# Altium PCB uTCA_MCH_PCB3.pcbdoc (part 17 of 25)
Units mil, origin at the board's own origin, x right, y up, seen from the top; angles counter-clockwise.
Board outline 7110.66 x 2894.12 mil, 12 copper layers (Top Layer, GND1, MidLayer1, PWR1, MidLayer2, GND2, PWR2, MidLayer3, GND3, MidLayer4, PWR3, Bottom Layer), stack 63.15 mil thick; 767 components, 905 nets, 4553 pads, 2832 vias.
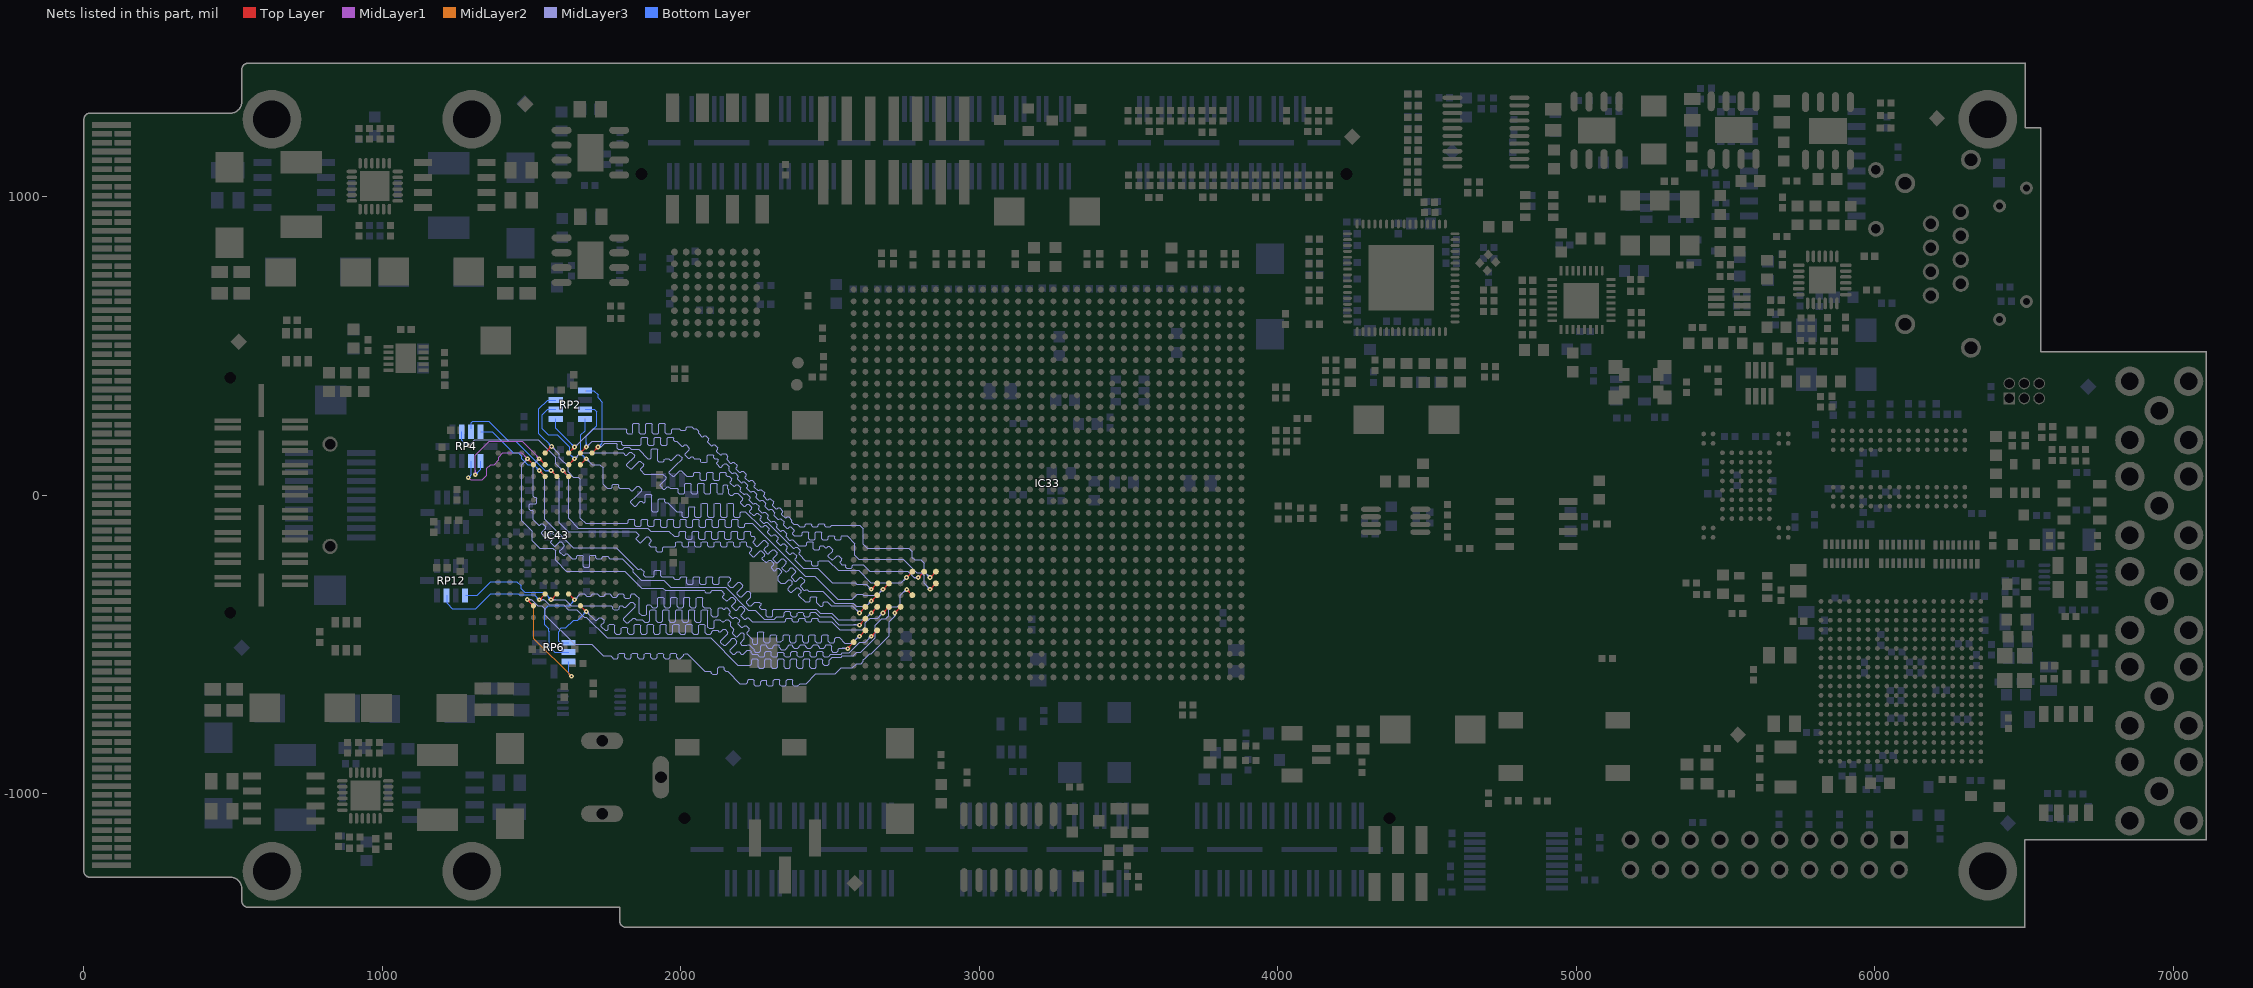
[diagram p27: the nets of this part, all layers, seen from the top]

## Via types
v1: diameter 15.75, hole 5.91, Top Layer to Bottom Layer, tented both sides, 2480 vias
v2: diameter 23.62, hole 11.81, Top Layer to Bottom Layer, tented both sides, 325 vias
v3: diameter 20, hole 10, Top Layer to Bottom Layer, tented both sides, 16 vias
v4: diameter 15.75, hole 7.87, Top Layer to Bottom Layer, tented both sides, 9 vias
v5: diameter 23.62, hole 11.81, Top Layer to Bottom Layer, 1 vias
v6: diameter 15.75, hole 5.91, Top Layer to Bottom Layer, 1 vias

## Nets (pads, with @x,y where several pads share a name; then routed paths per layer and width w, separated by ;. In a path a pad name is that pad's centre, name@x,y a point inside that pad or via, vN(x,y) a via of type N, cw(c..) or ccw(c..) an arc to the next point about the centre after c; other vN are vias at no path point) (continued)
Q2_A0: IC33.AM30 IC43.B4 RP6.8 | length 2157.8
  Top Layer w3.94: IC43.B4@1663.39,-370.08 v1(1683.07,-389.76) ; v1@1677.17,-389.76 ccw(c1662.91,-389.76) 1672.99,-379.68 ccw(c1683.07,-369.6) v1@1683.07,-383.86 ; v1(2637.79,-472.44) IC33.AM30@2657.48,-452.76 ; v1@2637.79,-466.54 ccw(c2637.79,-452.28) 2647.88,-462.36 ccw(c2657.96,-472.44) v1@2643.7,-472.44
  MidLayer3 w3.94: v1@1683.07,-395.67 cw(c1683.07,-409.93) 1693.15,-399.85 cw(c1703.23,-389.76) v1@1688.98,-389.76 ; v1(1683.07,-389.76) 1712.27,-418.96 1718.39,-418.96 1727.15,-410.21 1733.27,-410.21 1742.46,-419.4 1742.46,-425.52 1733.71,-434.27 1733.71,-440.4 1746.06,-452.76 1752.56,-452.76 1756.89,-448.43 1756.89,-436.05 1761.22,-431.72 1774.21,-431.72 1778.54,-436.05 1778.54,-461.08 1782.87,-465.41 1795.87,-465.41 1800.2,-461.08 1800.2,-445.96 1804.53,-441.62 1817.52,-441.62 1821.85,-445.96 1821.85,-461.08 1826.18,-465.41 1839.17,-465.41 1843.5,-461.08 1843.5,-436.05 1847.83,-431.72 1860.83,-431.72 1865.16,-436.05 1865.16,-461.08 1869.49,-465.41 1882.48,-465.41 1886.81,-461.08 1886.81,-436.05 1891.14,-431.72 1904.13,-431.72 1908.46,-436.05 1908.46,-461.08 1912.79,-465.41 1925.79,-465.41 1930.12,-461.08 1930.12,-436.05 1934.45,-431.72 1947.44,-431.72 1951.77,-436.05 1951.77,-461.08 1956.1,-465.41 1969.09,-465.41 1973.42,-461.08 1973.42,-436.05 1977.76,-431.72 1990.75,-431.72 1995.08,-436.05 1995.08,-461.08 1999.41,-465.41 2012.4,-465.41 2016.73,-461.08 2016.73,-436.05 2021.06,-431.72 2034.05,-431.72 2038.39,-436.05 2038.39,-461.08 2042.72,-465.41 2055.71,-465.41 2060.04,-461.08 2060.04,-436.05 2064.37,-431.72 2077.36,-431.72 2081.69,-436.05 2081.69,-461.08 2086.02,-465.41 2099.01,-465.41 2103.35,-461.08 2103.35,-457.09 2107.68,-452.76 2123.03,-452.76 2127.62,-457.35 2133.75,-457.35 2141.85,-449.25 2147.97,-449.25 2157.16,-458.44 2157.16,-464.56 2146,-475.72 2134.18,-487.54 2134.18,-493.66 2143.37,-502.85 2149.5,-502.85 2161.31,-491.03 2172.47,-479.87 2178.59,-479.87 2187.78,-489.06 2187.78,-495.19 2176.62,-506.35 2164.81,-518.16 2164.81,-524.28 2173.99,-533.47 2180.12,-533.47 2188.87,-524.72 2194.99,-524.72 2202.76,-532.48 2209.25,-532.48 2213.58,-528.15 ; 2213.58,-527.64 2222.38,-518.84 2230.91,-518.84 2235.24,-523.17 2235.24,-528.15 2239.57,-532.48 2255.51,-532.48 2259.84,-536.81 ; 2259.84,-537.52 2264.17,-541.85 2277.17,-541.85 2281.5,-537.52 2281.5,-527.44 2285.83,-523.11 2298.82,-523.11 2303.15,-527.44 2303.15,-537.52 2307.48,-541.85 2320.47,-541.85 2324.8,-537.52 2324.8,-527.44 2326.81,-525.43 2341.34,-525.43 2346.46,-530.55 2346.46,-537.52 2350.79,-541.85 2363.78,-541.85 2368.11,-537.52 2368.11,-527.44 2372.44,-523.11 2385.43,-523.11 2389.76,-527.44 2389.76,-537.52 2394.09,-541.85 2407.09,-541.85 2411.42,-537.52 2411.42,-527.44 2415.75,-523.11 2428.74,-523.11 2433.07,-527.44 2433.07,-537.52 2437.4,-541.85 2450.39,-541.85 2454.72,-537.52 2454.72,-527.44 2459.06,-523.11 2472.05,-523.11 2476.38,-527.44 2476.38,-537.52 2480.71,-541.85 2493.7,-541.85 2498.03,-537.52 ; 2498.03,-536.81 2502.36,-532.48 2536.42,-532.48 2541.34,-527.56 2564.58,-527.56 2600.02,-492.13 2618.11,-492.13 v1(2637.79,-472.44) ; v1@2631.89,-472.44 cw(c2617.63,-472.44) 2627.71,-482.52 cw(c2637.79,-492.6) v1@2637.79,-478.35
  Bottom Layer w3.94: RP6.8@1624.02,-494.09 1595.67,-494.09 1590.94,-489.37 1590.94,-457.87 1594.49,-454.33 1594.49,-448.82 1598.82,-444.49 1614.17,-444.49 1640.55,-418.11 1654.72,-418.11 v1(1683.07,-389.76) v1@1683.07,-392.85 ; v1@1677.17,-389.76 cw(c1662.91,-389.76) 1672.99,-399.84 cw(c1683.07,-409.93) v1@1683.07,-395.67
Q2_A1: IC33.AK28 IC43.B8 RP6.10 | length 2379.9
  Top Layer w3.94: v1@1485.24,-355.32 cw(c1485.24,-369.57) 1495.32,-359.49 cw(c1505.4,-349.41) v1@1491.14,-349.41 ; v1(1485.24,-349.41) IC43.B8@1505.91,-370.08 ; v1@2716.53,-393.7 IC33.AK28@2736.22,-374.02 ; v1@2716.67,-388.8 ccw(c2716.67,-377.28) 2724.81,-385.43 ; v1@2722.57,-394.7 cw(c2739.57,-394.7) 2727.55,-382.68
  MidLayer2 w3.94: v1@1485.24,-355.32 cw(c1485.24,-369.57) 1495.32,-359.49 cw(c1505.4,-349.41) v1@1491.14,-349.41 ; v1(1485.24,-349.41) 1507.09,-371.26 1507.09,-479.92 v1(1633.86,-606.69) v1@1633.86,-609.45 ; v1@1627.95,-606.69 ccw(c1613.7,-606.69) 1623.78,-596.61 ccw(c1633.86,-586.53) v1@1633.86,-600.79
  MidLayer3 w3.94: v1(1485.24,-349.41) 1500,-349.41 1520.67,-370.08 1533.46,-370.08 1545.28,-381.89 1545.28,-401.57 1643.7,-500 1701.77,-500 1739.56,-537.79 1764.97,-537.79 1769.3,-542.12 ; v1@1489.41,-353.59 cw(c1499.49,-363.67) 1499.49,-349.41 cw(c1499.49,-335.15) v1@1489.41,-345.23 ; 1769.3,-542.83 1773.63,-547.16 1786.62,-547.16 1790.95,-542.83 1790.95,-533.26 1795.28,-528.93 1808.28,-528.93 1812.61,-533.26 1812.61,-542.83 1816.94,-547.16 1829.93,-547.16 1834.26,-542.83 1834.26,-533.26 1838.59,-528.93 1851.58,-528.93 1855.91,-533.26 1855.91,-542.83 1860.24,-547.16 1873.24,-547.16 1877.57,-542.83 1877.57,-533.26 1881.9,-528.93 1894.89,-528.93 1899.22,-533.26 1899.22,-542.83 1903.55,-547.16 1916.54,-547.16 1920.87,-542.83 1920.87,-533.26 1925.2,-528.93 1938.2,-528.93 1942.53,-533.26 1942.53,-542.83 1946.86,-547.16 1959.85,-547.16 1964.18,-542.83 1964.18,-533.26 1968.51,-528.93 1981.5,-528.93 1985.83,-533.26 1985.83,-542.83 1990.16,-547.16 1998.23,-547.16 2009.84,-535.55 2009.84,-533.46 2012.8,-530.51 2020.67,-530.51 2056.93,-566.77 2079.72,-589.57 2098.03,-589.57 2102.36,-593.9 2102.36,-596.06 2106.69,-600.4 2119.69,-600.4 2124.02,-596.06 2124.02,-579.13 2128.35,-574.8 2141.34,-574.8 2145.67,-579.13 2145.67,-585.24 2150,-589.57 2156.5,-589.57 2197.83,-630.91 2219.09,-630.91 2223.43,-626.57 2223.43,-621.23 2227.76,-616.89 2240.75,-616.89 2245.08,-621.23 2245.08,-634.45 2249.41,-638.78 2262.4,-638.78 2266.73,-634.45 2266.73,-625.63 2272.09,-620.28 2287.44,-620.28 ; 2288.39,-621.23 2288.39,-634.45 2292.72,-638.78 2305.71,-638.78 2310.04,-634.45 2310.04,-621.23 2314.37,-616.89 2327.36,-616.89 2331.69,-621.23 2331.69,-634.45 2336.02,-638.78 2349.02,-638.78 2353.35,-634.45 2353.35,-621.23 2357.68,-616.89 2370.67,-616.89 2375,-621.23 2375,-634.45 2379.33,-638.78 2392.32,-638.78 2400.2,-630.91 2419.29,-630.91 2451.77,-598.43 2517.72,-598.43 2537.4,-578.74 2574.84,-578.74 2589.61,-563.98 2603.73,-563.98 2611.22,-556.48 2611.22,-551.89 2617.83,-545.28 ; 2618.11,-545.28 2631.89,-531.5 2637.8,-531.5 2698.82,-470.47 2698.82,-423.23 2716.53,-405.51 ; v1@2713.38,-399.61 cw(c2709.43,-405.51) 2716.53,-405.51 ; v1@2716.53,-393.7 2716.53,-394.7 2716.53,-405.51 ; v1@2719.76,-399.73 ccw(c2723.32,-405.51) 2716.53,-405.51
  Bottom Layer w3.94: RP6.10@1624.02,-557.09 1624.02,-596.85 ; v1@1627.95,-606.59 ccw(c1614.51,-606.36) 1624.02,-596.85 ; v1@1633.76,-600.79 cw(c1633.52,-587.35) 1624.02,-596.85 ; v1(1633.86,-606.69) 1624.02,-596.85
  other v1: 2716.67,-394.7
Q2_A2: IC33.AN30 IC43.C5 RP6.9 | length 2318.6
  Top Layer w3.94: IC43.C5@1624.02,-330.71 v1(1643.7,-350.39) ; v1@1637.8,-350.39 ccw(c1623.54,-350.39) 1633.62,-340.31 ccw(c1643.7,-330.23) v1@1643.7,-344.49 ; v1(2598.43,-472.44) IC33.AN30@2618.11,-452.76 ; v1@2598.43,-466.54 ccw(c2598.43,-452.28) 2608.51,-462.36 ccw(c2618.59,-472.44) v1@2604.33,-472.44
  MidLayer3 w3.94: v1(1643.7,-350.39) 1663.39,-330.71 1676.5,-330.71 1684.45,-338.65 1697.44,-338.65 1705.39,-330.71 1719.71,-330.71 1727.76,-338.76 1740.75,-338.76 1748.8,-330.71 1762.4,-330.71 1766.73,-335.04 1766.73,-337.22 1771.06,-341.55 1784.06,-341.55 1788.39,-337.22 1788.39,-335.04 1792.72,-330.71 1805.71,-330.71 1810.04,-335.04 1810.04,-341.16 1814.37,-345.49 1827.36,-345.49 1831.69,-341.16 1831.69,-335.04 1836.02,-330.71 1844.19,-330.71 1848.13,-334.65 ; v1@1643.7,-344.49 ccw(c1643.7,-330.23) 1653.78,-340.31 ccw(c1663.86,-350.39) v1@1649.61,-350.39 ; 1849.41,-334.65 1860.24,-345.47 1860.24,-394.68 1868.11,-402.56 1880.91,-402.56 1884.84,-398.62 1884.84,-370.08 1888.78,-366.14 1895.67,-366.14 ; 1896.26,-366.14 1900.59,-370.47 ; 1900.59,-372.13 1904.92,-376.46 1917.91,-376.46 1922.24,-372.13 1922.24,-345.35 1926.58,-341.02 1939.57,-341.02 1943.9,-345.35 1943.9,-372.13 1948.23,-376.46 1961.22,-376.46 1965.55,-372.13 1965.55,-345.35 1969.88,-341.02 1982.87,-341.02 1987.2,-345.35 1987.2,-372.13 1991.54,-376.46 2004.53,-376.46 2008.86,-372.13 2008.86,-345.35 2013.19,-341.02 2026.18,-341.02 2030.51,-345.35 2030.51,-372.13 2034.84,-376.46 2047.83,-376.46 2052.17,-372.13 2052.17,-345.35 2056.5,-341.02 2069.49,-341.02 2073.82,-345.35 2073.82,-372.13 2078.15,-376.46 2095.95,-376.46 2102.36,-382.87 2102.36,-402.56 2107.28,-407.48 2120.08,-407.48 2125,-402.56 2125,-379.92 2128.46,-376.46 2136.3,-376.46 2141.66,-381.82 2146.25,-381.82 2150.57,-377.5 2155.16,-377.5 2165.88,-388.22 2165.88,-392.81 2161.56,-397.13 2161.56,-401.72 2172.28,-412.44 2176.88,-412.44 2181.19,-408.12 2185.78,-408.12 2196.5,-418.84 2196.5,-423.44 2192.19,-427.75 2192.19,-432.34 2202.91,-443.06 2207.5,-443.06 2213.55,-437.01 2218.15,-437.01 2228.87,-447.72 2228.87,-452.32 2222.81,-458.37 2222.81,-465.92 2240.16,-483.27 2240.16,-496.06 2243.11,-499.02 2254.92,-499.02 2257.87,-496.06 2257.87,-459.65 2260.83,-456.69 2273.62,-456.69 2277.56,-460.63 2277.56,-489.76 2281.89,-494.09 2294.88,-494.09 2299.21,-489.76 2299.21,-470.86 2303.54,-466.53 2316.54,-466.53 2320.87,-470.86 2320.87,-489.76 ; 2322.24,-491.14 2334.88,-491.14 2342.52,-483.5 2342.52,-470.86 2346.85,-466.53 2359.84,-466.53 2364.17,-470.86 2364.17,-489.76 2368.5,-494.09 2381.5,-494.09 2385.83,-489.76 2385.83,-470.86 2390.16,-466.53 2403.15,-466.53 2407.48,-470.86 2407.48,-489.76 2411.81,-494.09 2424.8,-494.09 2429.13,-489.76 2429.13,-470.86 2433.46,-466.53 2446.46,-466.53 2450.79,-470.86 2450.79,-489.76 2455.12,-494.09 2468.11,-494.09 2472.44,-489.76 2472.44,-470.86 2476.77,-466.53 2489.76,-466.53 2494.09,-470.86 2494.09,-489.76 2498.43,-494.09 2511.42,-494.09 2515.75,-489.76 2515.75,-480.71 2520.08,-476.38 2530.51,-476.38 2549.21,-495.08 2573.99,-495.08 v1@2596.63,-472.44 ; 2585.28,-483.79 cw(c2598.43,-496.93) v1@2598.43,-478.35 ; 2589.61,-479.46 ccw(c2582.59,-472.44) v1@2592.52,-472.44 ; 2592,-477.07 cw(c2598.43,-483.49) v1@2598.43,-474.41
  Bottom Layer w3.94: RP6.9@1624.02,-525.59 1576.77,-525.59 1558.94,-507.76 1558.94,-457.06 1557.09,-455.2 1557.09,-448.03 1543.7,-434.65 1543.7,-382.28 1555.51,-370.47 1625.2,-370.47 v1@1644.09,-351.57 ; 1632.51,-363.16 ccw(c1619.74,-350.39) v1@1637.8,-350.39 ; 1636.31,-359.36 cw(c1643.7,-366.76) v1@1643.7,-356.3
Q2_A3: IC33.AP31 IC43.C6 RP12.7 | length 2335.5
  Top Layer w3.94: v1(1564.96,-350.39) IC43.C6@1584.65,-330.71 ; v1@1564.96,-344.49 ccw(c1564.96,-330.23) 1575.04,-340.31 ccw(c1585.12,-350.39) v1@1570.87,-350.39 ; v1@2559.06,-511.81 IC33.AP31@2578.74,-492.13 ; v1@2559.18,-507.9 ccw(c2559.18,-498.76) 2565.64,-505.22 ; v1@2561.15,-513.8 cw(c2571.02,-513.8) 2564.04,-506.83 ; v1@2565.09,-513.8 cw(c2584.46,-513.8) 2570.76,-500.11
  MidLayer3 w3.94: v1(1564.96,-350.39) 1612.21,-350.39 1631.89,-370.08 1767.32,-370.08 1771.65,-374.41 1771.65,-379.55 1775.98,-383.88 1788.98,-383.88 1793.31,-379.55 1793.31,-374.41 1797.64,-370.08 1804.13,-370.08 1809.05,-375 1815.18,-375 1832.38,-357.79 1838.51,-357.79 1847.69,-366.98 1847.69,-373.11 1827.43,-393.37 1808.53,-412.27 1808.53,-418.39 1817.72,-427.58 1823.84,-427.58 1839.68,-411.75 1845.8,-411.75 1850.39,-416.34 1869.86,-416.34 1878.35,-424.83 1891.34,-424.83 1895.67,-420.5 1895.67,-387.68 1900,-383.35 1912.99,-383.35 1917.32,-387.68 1917.32,-420.5 1921.65,-424.83 1934.65,-424.83 1938.98,-420.5 1938.98,-387.68 1943.31,-383.35 1956.3,-383.35 1960.63,-387.68 1960.63,-420.5 1964.96,-424.83 1977.95,-424.83 1982.28,-420.5 1982.28,-387.68 1986.61,-383.35 1999.61,-383.35 2003.94,-387.68 2003.94,-420.5 2008.27,-424.83 2021.26,-424.83 2025.59,-420.5 2025.59,-387.68 2029.92,-383.35 2042.91,-383.35 2047.24,-387.68 2047.24,-420.5 2051.57,-424.83 2064.57,-424.83 2068.9,-420.5 2068.9,-387.68 2073.23,-383.35 2075.29,-383.35 2086.22,-383.35 2090.55,-387.68 2090.55,-441.54 2094.88,-445.87 2107.87,-445.87 2112.2,-441.54 2112.2,-420.67 2116.54,-416.34 2129.92,-416.34 2138.12,-424.54 2144.24,-424.54 2152.44,-416.34 2158.56,-416.34 2167.75,-425.53 2167.75,-439.41 2177.87,-449.53 2177.87,-454.12 2173.06,-458.94 2173.06,-463.53 2183.78,-474.25 2188.37,-474.25 2202.59,-460.03 2207.18,-460.03 2213.03,-465.88 2213.03,-480.21 2199.8,-493.44 2199.8,-498.03 2204.29,-502.52 2221.34,-502.52 2223.81,-500.05 2228.4,-500.05 2240.16,-511.81 2245.08,-516.73 2245.08,-521.26 2249.41,-525.59 2262.4,-525.59 2266.73,-521.26 2266.73,-505.31 2271.06,-500.98 2284.06,-500.98 2288.39,-505.31 2288.39,-507.48 2292.72,-511.81 2305.71,-511.81 2310.04,-507.48 2310.04,-505.31 2314.37,-500.98 2327.36,-500.98 2329.68,-503.3 2329.68,-509.57 2336.97,-516.85 2349.57,-516.85 2355.55,-510.87 2355.55,-508.7 2363.27,-500.98 2370.67,-500.98 2375,-505.31 2375,-507.48 2379.33,-511.81 2392.32,-511.81 2396.65,-507.48 2396.65,-505.31 2400.98,-500.98 2413.98,-500.98 2418.31,-505.31 2418.31,-507.48 2422.64,-511.81 2435.63,-511.81 2439.96,-507.48 2439.96,-505.31 2444.29,-500.98 2457.28,-500.98 2461.61,-505.31 2461.61,-507.48 2465.95,-511.81 2478.94,-511.81 2483.27,-507.48 2483.27,-505.31 2487.6,-500.98 2500.59,-500.98 2504.92,-505.31 2504.92,-521.26 2509.25,-525.59 2522.25,-525.59 2526.57,-521.26 2526.57,-516.14 2530.91,-511.81 v1@2559.06,-511.81 ; v1@1569.14,-354.57 cw(c1579.22,-364.65) 1579.22,-350.39 cw(c1579.22,-336.14) v1@1569.14,-346.22 ; 2540.11,-511.81 cw(c2540.11,-532.87) v1@2555,-517.98 ; 2549.61,-511.81 cw(c2549.61,-523.37) v1@2557.79,-515.2 ; 2549.74,-511.81 ccw(c2549.74,-504.36) v1@2555,-509.63
  Bottom Layer w3.94: RP12.7@1279.53,-334.64 1317.68,-334.64 1362.95,-289.37 1450.79,-289.37 1464.57,-303.15 1464.57,-313.73 1476.63,-325.79 1542.32,-325.79 1565.94,-349.41 v1@1566.93,-350.39 ; 1553.48,-336.95 cw(c1540.04,-350.39) v1@1559.05,-350.39 ; 1558.24,-341.71 ccw(c1564.96,-334.99) v1@1564.96,-344.49 ; 1560.21,-343.67 cw(c1553.48,-350.39) v1@1562.99,-350.39
  other v1: 2559.18,-513.8
Q2_A4: IC33.AJ27 IC43.C7 RP12.9 | length 2315.8
  Top Layer w3.94: v1(1525.59,-350.39) IC43.C7@1545.28,-330.71 ; v1@1525.59,-344.49 ccw(c1525.59,-330.23) 1535.67,-340.31 ccw(c1545.75,-350.39) v1@1531.5,-350.39 ; v1@2755.91,-314.96 v1(2757,-316) IC33.AJ27@2775.59,-334.65 ; v1@2757,-321.91 cw(c2757,-336.03) 2766.99,-326.04 ; v1@2762.91,-316 ccw(c2777.3,-316) 2767.12,-326.18
  MidLayer3 w3.94: v1(1525.59,-350.39) 1542.32,-350.39 1559.06,-367.13 1607.68,-367.13 1623.43,-382.87 1650.36,-382.87 1675.61,-408.12 1683.33,-408.12 1752.57,-477.36 2099.41,-477.36 2190.94,-568.9 2232.87,-568.9 2237.21,-564.57 2237.21,-552.52 2241.54,-548.19 2254.53,-548.19 2258.86,-552.52 2258.86,-574.92 2263.19,-579.25 2276.18,-579.25 2280.51,-574.92 2280.51,-552.52 2284.84,-548.19 2297.84,-548.19 2302.17,-552.52 2302.17,-574.92 2306.5,-579.25 2319.49,-579.25 2323.82,-574.92 2323.82,-552.52 2328.15,-548.19 2341.14,-548.19 2345.47,-552.52 2345.47,-574.92 2349.8,-579.25 2362.8,-579.25 2367.13,-574.92 2367.13,-552.52 2371.46,-548.19 2384.45,-548.19 2388.78,-552.52 2388.78,-574.92 2393.11,-579.25 2406.1,-579.25 2410.43,-574.92 2410.43,-552.52 2414.76,-548.19 2427.76,-548.19 2432.09,-552.52 2432.09,-574.92 2436.42,-579.25 2449.41,-579.25 2453.74,-574.92 2453.74,-552.52 2458.07,-548.19 2471.06,-548.19 2475.39,-552.52 2475.39,-564.57 2479.72,-568.9 2492.72,-568.9 2497.05,-564.57 2497.05,-552.52 2506.26,-543.31 2536.42,-543.31 2541.34,-538.39 2576.77,-538.39 2588.58,-526.57 2602.36,-526.57 2651.57,-477.36 2651.57,-435.04 2673.23,-413.39 2687.01,-413.39 2696.85,-403.54 2696.85,-383.86 2706.36,-374.35 2724.07,-374.35 2735.43,-362.99 2735.43,-335.83 v1@2755.51,-315.75 ; v1@1529.77,-354.57 cw(c1539.85,-364.65) 1539.85,-350.39 cw(c1539.85,-336.14) v1@1529.77,-346.22 ; 2743.95,-327.31 cw(c2757,-340.36) v1@2757,-321.91 ; 2748.15,-323.11 ccw(c2741.04,-316) v1@2751.09,-316
  Bottom Layer w3.94: RP12.9@1216.53,-334.64 1216.53,-335.44 1216.53,-362.2 1234.25,-379.92 1312.99,-379.92 1362.2,-330.71 1454.72,-330.71 1457.68,-333.66 1508.86,-333.66 v1(1525.59,-350.39) ; v1@1519.68,-350.39 ccw(c1505.43,-350.39) 1515.51,-340.31 ccw(c1525.59,-330.23) v1@1525.59,-344.49
Q2_A5: IC33.AM27 IC43.N5 RP4.8 | length 2467.7
  Top Layer w3.94: v1@1604.33,76.77 cw(c1604.33,62.51) 1614.41,72.6 cw(c1624.49,82.68) v1@1610.24,82.68 ; v1(1604.33,82.68) IC43.N5@1623.03,63.98 ; v1(2637.79,-354.33) IC33.AM27@2657.48,-334.65 ; v1@2637.79,-348.43 ccw(c2637.79,-334.17) 2647.88,-344.25 ccw(c2657.96,-354.33) v1@2643.7,-354.33
  MidLayer3 w3.94: v1(1289,166) 1309.02,186.02 1522.64,186.02 1580.71,127.95 1580.71,106.3 v1(1604.33,82.68) 1624.02,62.99 1624.02,-77.39 1656.86,-110.24 1889.76,-110.24 1899.53,-120 1959.2,-120 1977,-137.8 1991.83,-137.8 1995.08,-134.55 1995.08,-124.33 1998.33,-121.08 2013.48,-121.08 2016.73,-124.33 2016.73,-144.34 2019.98,-147.58 2035.14,-147.58 2038.39,-144.34 2038.39,-124.33 2041.63,-121.08 2056.79,-121.08 2060.04,-124.33 2060.04,-144.34 2063.29,-147.58 2078.45,-147.58 2081.69,-144.34 2081.69,-124.33 2084.94,-121.08 2100.1,-121.08 2103.35,-124.33 2103.35,-144.34 2106.59,-147.58 2121.75,-147.58 2125,-144.34 2125,-124.33 2128.25,-121.08 2143.41,-121.08 2146.65,-124.33 2146.65,-144.34 2149.9,-147.58 2165.06,-147.58 2168.31,-144.34 2168.31,-124.33 2171.56,-121.08 2186.71,-121.08 2189.96,-124.33 2189.96,-144.34 2193.21,-147.58 2208.37,-147.58 2211.61,-144.34 2211.61,-124.33 2214.86,-121.08 2230.02,-121.08 2233.27,-124.33 2233.27,-134.55 2236.52,-137.8 2244.09,-137.8 2249.77,-143.47 2249.77,-148.07 2242.55,-155.29 2242.55,-159.89 2253.26,-170.6 2257.86,-170.6 2276.9,-151.56 2281.5,-151.56 2292.22,-162.28 2292.22,-166.87 2282.69,-176.39 2278.8,-180.28 2278.8,-184.87 2289.52,-195.59 2294.12,-195.59 2298,-191.7 2307.53,-182.18 2312.12,-182.18 2322.84,-192.9 2322.84,-197.49 2309.43,-210.9 2309.43,-215.5 2320.15,-226.21 2324.74,-226.21 2328.63,-222.33 2338.15,-212.8 2342.74,-212.8 2353.46,-223.52 2353.46,-228.12 2343.94,-237.64 2340.05,-241.53 2340.05,-246.12 2350.77,-256.84 2355.36,-256.84 2359.25,-252.95 2368.77,-243.43 2373.36,-243.43 2384.08,-254.14 2384.08,-258.74 2374.56,-268.26 2370.67,-272.15 2370.67,-276.74 2381.39,-287.46 2385.98,-287.46 2399.39,-274.05 2403.99,-274.05 2414.71,-284.77 2414.71,-289.36 2405.18,-298.88 2401.3,-302.77 2401.3,-307.36 2412.01,-318.08 2416.61,-318.08 2418.2,-316.49 2422.79,-316.49 2428.15,-321.85 2475.39,-321.85 2515.75,-362.2 2578.06,-362.2 2588.24,-372.38 2619.74,-372.38 v1(2637.79,-354.33) ; v1@1289,171.91 ccw(c1289,186.16) 1299.08,176.08 ccw(c1309.16,166) v1@1294.91,166 ; v1@1598.43,82.68 ccw(c1584.17,82.68) 1594.25,92.76 ccw(c1604.33,102.84) v1@1604.33,88.58 ; v1@1604.33,76.77 cw(c1604.33,62.51) 1614.41,72.6 cw(c1624.49,82.68) v1@1610.24,82.68 ; v1@2631.89,-354.33 cw(c2617.63,-354.33) 2627.71,-364.41 cw(c2637.79,-374.49) v1@2637.79,-360.24
  Bottom Layer w3.94: RP4.8@1265.75,212.6 1265.75,184.25 1284,166 v1(1289,166) ; 1270.38,179.62 ccw(c1289,198.23) v1@1289,171.91 ; 1277.1,172.9 ccw(c1289,184.79) v1@1289,167.97
Q2_A6: IC33.AN28 IC43.N6 RP4.9 | length 2341.8
  Top Layer w3.94: v1@1564.96,76.77 cw(c1564.96,62.51) 1575.04,72.6 cw(c1585.12,82.68) v1@1570.87,82.68 ; v1(1564.96,82.68) IC43.N6@1584.65,62.99 ; v1@2598.42,-393.7 IC33.AN28@2618.11,-374.02 ; v1@2598.55,-388.8 ccw(c2598.55,-377.27) 2606.7,-385.42 ; v1@2604.46,-394.7 cw(c2621.44,-394.7) 2609.43,-382.69
  MidLayer3 w3.94: v1@1564.96,76.77 cw(c1564.96,62.51) 1575.04,72.6 cw(c1585.12,82.68) v1@1570.87,82.68 ; v1(1564.96,82.68) 1592.52,55.12 1592.52,-92.52 1622.05,-122.05 1848.43,-122.05 1858.05,-131.67 1858.05,-136.26 1850.78,-143.53 1850.78,-148.12 1861.5,-158.84 1866.09,-158.84 1875.66,-149.28 1885.55,-139.38 1890.15,-139.38 1900.86,-150.1 1900.86,-154.69 1893.26,-162.29 1893.26,-166.89 1898.62,-172.24 1914.08,-172.24 1917.32,-175.49 1917.32,-186.24 1920.57,-189.49 1935.73,-189.49 1938.98,-186.24 1938.98,-175.49 1942.22,-172.24 1979.04,-172.24 1982.28,-169 1982.28,-158.25 1985.53,-155 2000.69,-155 2003.94,-158.25 2003.94,-169 2007.19,-172.24 2022.34,-172.24 2025.59,-169 2025.59,-158.25 2028.84,-155 2044,-155 2047.24,-158.25 2047.24,-169 2050.49,-172.24 2065.65,-172.24 2068.9,-169 2068.9,-158.25 2072.15,-155 2087.3,-155 2090.55,-158.25 2090.55,-169 2093.8,-172.24 2108.96,-172.24 2112.2,-169 2112.2,-158.25 2115.45,-155 2130.61,-155 2133.86,-158.25 2133.86,-169 2137.11,-172.24 2152.26,-172.24 2155.51,-169 2155.51,-158.25 2158.76,-155 2173.92,-155 2177.17,-158.25 2177.17,-169 2180.41,-172.24 2195.57,-172.24 2198.82,-169 2198.82,-158.25 2202.07,-155 2217.22,-155 2220.47,-158.25 2220.47,-169 2223.72,-172.24 2231.3,-172.24 2237.96,-178.91 2237.96,-183.5 2230.36,-191.1 2230.36,-195.69 2241.08,-206.41 2245.67,-206.41 2265.47,-186.62 2270.06,-186.62 2280.78,-197.34 2280.78,-201.93 2273.18,-209.53 2273.18,-214.12 2283.9,-224.84 2288.49,-224.84 2296.09,-217.24 2300.68,-217.24 2311.4,-227.96 2311.4,-232.55 2303.8,-240.15 2303.8,-244.75 2311.26,-252.2 2315.51,-252.2 2323.03,-244.68 2328.13,-244.68 2338.74,-255.3 2338.74,-258.31 2325.98,-271.06 2325.98,-286.26 2334.72,-295 2349.57,-295 2361.61,-282.95 2366.39,-282.95 2372.65,-289.2 2372.65,-298.26 2367.21,-303.69 ; 2367.05,-303.69 2359.84,-310.91 2359.84,-318.28 2367.02,-325.46 2371.61,-325.46 2387.96,-309.11 2392.55,-309.11 2403.27,-319.83 2403.27,-324.42 2395.67,-332.02 2395.67,-336.61 2416.34,-357.28 2429.82,-357.28 2433.07,-354.04 2433.07,-343.29 2436.32,-340.04 2451.48,-340.04 2454.72,-343.29 2454.72,-360.24 2466.54,-372.05 2473.13,-372.05 2476.38,-368.8 2476.38,-360.53 2479.63,-357.28 2490.16,-357.28 2502.95,-370.08 2574.8,-370.08 v1@2598.55,-393.83 ; 2587.85,-383.13 cw(c2576.28,-394.7) v1@2592.65,-394.7 ; 2589.96,-385.24 ccw(c2598.55,-376.65) v1@2598.55,-388.8